# Allegro board 038RT-9068CJK8E-A100_0921.brd (continued)
## Placement (name value [footprint] x y rotation side) (continued)
NOREF#2531  -  []  628 265.81 90 top
NOREF#2532  -  []  282.9 209.4 90 top
NOREF#2533  -  []  339.41 415.37 90 top
NOREF#2534  -  []  182.72 259.08 0 top
NOREF#2535  -  []  600.4 209.4 90 top
NOREF#2536  -  []  599.63 325.6 0 top
NOREF#2537  -  []  336.65 243.37 0 top
NOREF#2538  -  []  272.29 378.77 0 top
NOREF#2539  -  []  234.74 292.48 0 top
NOREF#2540  -  []  14.11 147.57 90 top
NOREF#2541  -  []  536.05 432.05 0 top
NOREF#2542  -  []  8.31 16.9 90 top
NOREF#2543  -  []  435.3 280.64 0 top
NOREF#2544  -  []  685.63 31.15 90 top
NOREF#2545  -  []  49.95 408.79 0 top
NOREF#2546  -  []  141.16 432.9 90 top
NOREF#2547  -  []  602.39 205.03 0 top
NOREF#2548  -  []  90.04 230.41 90 top
NOREF#2549  -  []  604.38 309.63 90 top
NOREF#2550  -  []  91.39 269.83 90 top
NOREF#2551  -  []  13.26 176.2 90 top
NOREF#2552  -  []  141.18 234.04 0 top
NOREF#2553  -  []  324.62 30.1 90 top
NOREF#2554  -  []  625.03 347.19 0 top
NOREF#2555  -  []  85.58 154.05 90 top
NOREF#2556  -  []  584.3 182.01 90 top
NOREF#2557  -  []  98.15 309.88 0 top
NOREF#2558  -  []  587.3 52.44 0 top
NOREF#2559  -  []  11.29 215.18 0 top
NOREF#2560  -  []  435.3 228.77 0 top
NOREF#2561  -  []  700.31 228.6 0 top
NOREF#2562  -  []  248.78 422.36 90 top
NOREF#2563  -  []  693.28 87.04 0 top
NOREF#2564  -  []  634.21 261.68 0 top
NOREF#2565  -  []  599.97 267.45 90 top
NOREF#2566  -  []  357.23 211.69 0 top
NOREF#2567  -  []  575.29 15.05 90 top
NOREF#2568  -  []  208.54 436.97 90 top
NOREF#2569  -  []  608.78 215.17 0 top
NOREF#2570  -  []  94.59 267.41 0 top
NOREF#2571  -  []  385.03 418.84 0 top
NOREF#2572  -  []  124.85 246.22 90 top
NOREF#2573  -  []  593.34 193.37 90 top
NOREF#2574  -  []  56.94 211.67 0 top
NOREF#2575  -  []  435.3 288.77 0 top
NOREF#2576  -  []  436.51 224.7 0 top
NOREF#2577  -  []  98.17 267.02 0 top
NOREF#2578  -  []  468.22 378.54 0 top
NOREF#2579  -  []  410.49 210.63 0 top
NOREF#2580  -  []  13.26 49.84 90 top
NOREF#2581  -  []  616.31 309.88 0 top
NOREF#2582  -  []  164.3 154.22 0 top
NOREF#2583  -  []  131.43 312.42 90 top
NOREF#2584  -  []  607.53 241.05 90 top
NOREF#2585  -  []  572.1 264.29 90 top
NOREF#2586  -  []  608.06 140.59 0 top
NOREF#2587  -  []  679.31 219.07 0 top
NOREF#2588  -  []  406.1 203 90 top
NOREF#2589  -  []  670.26 274.33 90 top
NOREF#2590  -  []  612.96 208.8 90 top
NOREF#2591  -  []  436.21 278.28 0 top
NOREF#2592  -  []  76.66 258.12 0 top
NOREF#2593  -  []  412.47 262.22 0 top
NOREF#2594  -  []  559.93 149.61 90 top
NOREF#2595  -  []  671.31 219.6 0 top
NOREF#2596  -  []  516.12 424.48 90 top
NOREF#2597  -  []  38.32 466.51 0 top
NOREF#2598  -  []  81.66 257.87 90 top
NOREF#2599  -  []  107.54 276.06 90 top
NOREF#2600  -  []  547.22 238.4 0 top
NOREF#2601  -  []  90.2 211 90 top
NOREF#2602  -  []  506 44.55 0 top
NOREF#2603  -  []  98.79 277.99 90 top
NOREF#2604  -  []  603.99 261.83 0 top
NOREF#2605  -  []  96.46 290.11 0 top
NOREF#2606  -  []  238.67 289.31 0 top
NOREF#2607  -  []  101.72 229.46 90 top
NOREF#2608  -  []  107.82 229.46 90 top
NOREF#2609  -  []  622.66 331.47 0 top
NOREF#2610  -  []  16.65 25.02 90 top
NOREF#2611  -  []  674.38 260.08 0 top
NOREF#2612  -  []  174.78 27.61 90 top
NOREF#2613  -  []  92.19 265.03 0 top
NOREF#2614  -  []  288.47 271.02 0 top
NOREF#2615  -  []  509.38 44.83 90 top
NOREF#2616  -  []  622.28 283.84 0 top
NOREF#2617  -  []  350 203 0 top
NOREF#2618  -  []  166.95 282.81 90 top
NOREF#2619  -  []  296.45 203.55 90 top
NOREF#2620  -  []  405.71 204.21 0 top
NOREF#2621  -  []  11.81 143.02 90 top
NOREF#2622  -  []  404.87 209.85 90 top
NOREF#2623  -  []  277.69 279.4 90 top
NOREF#2624  -  []  105.14 289.44 90 top
NOREF#2625  -  []  288.09 261.03 0 top
NOREF#2626  -  []  222.05 433.64 90 top
NOREF#2627  -  []  144.25 441.65 0 top
NOREF#2628  -  []  136.56 425.85 0 top
NOREF#2629  -  []  440.18 50.36 90 top
NOREF#2630  -  []  436.21 220.31 0 top
NOREF#2631  -  []  342.05 273.66 90 top
NOREF#2632  -  []  173.1 222.56 0 top
NOREF#2633  -  []  358.53 201.52 90 top
NOREF#2634  -  []  675.41 276.87 0 top
NOREF#2635  -  []  603.97 264.25 90 top
NOREF#2636  -  []  52.31 210.37 90 top
NOREF#2637  -  []  450.3 165.22 90 top
NOREF#2638  -  []  97.37 211.02 0 top
NOREF#2639  -  []  121.14 210 90 top
NOREF#2640  -  []  79.23 157.86 0 top
NOREF#2641  -  []  634.21 266.32 0 top
NOREF#2642  -  []  583.33 48.47 90 top
NOREF#2643  -  []  276.81 282.96 90 top
NOREF#2644  -  []  177.57 445.82 0 top
NOREF#2645  -  []  91.37 268.23 90 top
NOREF#2646  -  []  88.6 200.59 90 top
NOREF#2647  -  []  588.49 203.5 90 top
NOREF#2648  -  []  514.03 231.97 0 top
NOREF#2649  -  []  161.06 51.05 0 top
NOREF#2650  -  []  439.11 226.73 0 top
NOREF#2651  -  []  221.05 440.06 0 top
NOREF#2652  -  []  629.25 166.63 0 top
NOREF#2653  -  []  147.51 432.9 90 top
NOREF#2654  -  []  284.11 266.63 0 top
NOREF#2655  -  []  343.89 138.61 0 top
NOREF#2656  -  []  292.11 261.83 0 top
NOREF#2657  -  []  288.89 205.85 90 top
NOREF#2658  -  []  334.02 444.8 90 top
NOREF#2659  -  []  273.59 144.24 90 top
NOREF#2660  -  []  69.07 335.53 0 top
NOREF#2661  -  []  436.21 224.38 0 top
NOREF#2662  -  []  357.9 446.71 90 top
NOREF#2663  -  []  329.27 273.66 90 top
NOREF#2664  -  []  592.1 182.9 0 top
NOREF#2665  -  []  286.47 262.63 90 top
NOREF#2666  -  []  596.01 204.21 0 top
NOREF#2667  -  []  337.54 22.63 0 top
NOREF#2668  -  []  92.97 272.25 90 top
NOREF#2669  -  []  312.4 193.27 90 top
NOREF#2670  -  []  675.41 245.12 0 top
NOREF#2671  -  []  209.38 259.08 90 top
NOREF#2672  -  []  249.08 49.56 0 top
NOREF#2673  -  []  673.94 56.13 90 top
NOREF#2674  -  []  168.38 58.88 90 top
NOREF#2675  -  []  241.25 418.84 90 top
NOREF#2676  -  []  130.67 309.63 90 top
NOREF#2677  -  []  602.39 203.45 90 top
NOREF#2678  -  []  336.67 263.25 90 top
NOREF#2679  -  []  86.97 206.22 0 top
NOREF#2680  -  []  461.51 36.11 0 top
NOREF#2681  -  []  82.91 141.22 0 top
NOREF#2682  -  []  617.08 331.22 90 top
NOREF#2683  -  []  403.29 210.63 0 top
NOREF#2684  -  []  600.81 264.23 0 top
NOREF#2685  -  []  436.21 282.34 0 top
NOREF#2686  -  []  88.99 269.83 90 top
NOREF#2687  -  []  11.29 265.98 0 top
NOREF#2688  -  []  441.21 278.28 90 top
NOREF#2689  -  []  284.11 212.21 0 top
NOREF#2690  -  []  350 270.11 0 top
NOREF#2691  -  []  194.25 216.36 90 top
NOREF#2692  -  []  410.47 211.45 90 top
NOREF#2693  -  []  482.51 276.1 0 top
NOREF#2694  -  []  401.27 208.62 0 top
NOREF#2695  -  []  250.03 205.92 90 top
NOREF#2696  -  []  441.22 221.69 90 top
NOREF#2697  -  []  211.55 448.54 0 top
NOREF#2698  -  []  568.18 310.77 90 top
NOREF#2699  -  []  487.42 233.37 0 top
NOREF#2700  -  []  440.02 286.41 0 top
NOREF#2701  -  []  246.23 205.67 0 top
NOREF#2702  -  []  596.77 271.43 90 top
NOREF#2703  -  []  640.39 124.58 0 top
NOREF#2704  -  []  191.36 39.72 0 top
NOREF#2705  -  []  606.65 240.8 90 top
NOREF#2706  -  []  106.25 275.21 90 top
NOREF#2707  -  []  256.81 206.2 0 top
NOREF#2708  -  []  88.57 263.82 0 top
NOREF#2709  -  []  290.87 207.82 0 top
NOREF#2710  -  []  402.51 270.61 0 top
NOREF#2711  -  []  97.66 289.46 90 top
NOREF#2712  -  []  403.27 209.85 90 top
NOREF#2713  -  []  337.7 424.48 0 top
NOREF#2714  -  []  347.1 419.02 90 top
NOREF#2715  -  []  329.32 432.44 90 top
NOREF#2716  -  []  406.57 221.66 0 top
NOREF#2717  -  []  283.29 261.03 90 top
NOREF#2718  -  []  -27.99 320.81 0 top
NOREF#2719  -  []  683.79 89.79 90 top
NOREF#2720  -  []  143.38 234.04 0 top
NOREF#2721  -  []  98.57 271.43 90 top
NOREF#2722  -  []  600.81 206.63 0 top
NOREF#2723  -  []  218.27 47.53 90 top
NOREF#2724  -  []  345.83 444.8 90 top
NOREF#2725  -  []  602.41 209.83 0 top
NOREF#2726  -  []  307.25 144.61 0 top
NOREF#2727  -  []  409.67 260.25 90 top
NOREF#2728  -  []  4.26 102.49 90 top
NOREF#2729  -  []  406.57 281.66 0 top
NOREF#2730  -  []  25.76 395.34 0 top
NOREF#2731  -  []  270.49 416.31 90 top
NOREF#2732  -  []  596.82 181.71 0 top
NOREF#2733  -  []  615.17 273.82 90 top
NOREF#2734  -  []  259.76 21.33 0 top
NOREF#2735  -  []  61.87 248.15 0 top
NOREF#2736  -  []  90.61 213.01 0 top
NOREF#2737  -  []  603.74 153.42 90 top
NOREF#2738  -  []  290.1 260.59 90 top
NOREF#2739  -  []  70.6 246.22 90 top
NOREF#2740  -  []  95.41 200.23 0 top
NOREF#2741  -  []  385.3 228.22 90 top
NOREF#2742  -  []  632.68 201.19 90 top
NOREF#2743  -  []  603.97 209.03 90 top
NOREF#2744  -  []  93.77 207.45 90 top
NOREF#2745  -  []  603.99 268.25 90 top
NOREF#2746  -  []  411.29 268.25 90 top
NOREF#2747  -  []  278.85 280.37 90 top
NOREF#2748  -  []  52.64 161.33 90 top
NOREF#2749  -  []  73.52 127.64 90 top
NOREF#2750  -  []  103.54 432.93 0 top
NOREF#2751  -  []  52.64 148.61 90 top
NOREF#2752  -  []  336.65 255.5 0 top
NOREF#2753  -  []  591.57 206.22 0 top
NOREF#2754  -  []  581.22 49.14 0 top
NOREF#2755  -  []  603.17 265.03 90 top
NOREF#2756  -  []  310.79 422.36 90 top
NOREF#2757  -  []  498.27 219.56 0 top
NOREF#2758  -  []  408.87 267.43 90 top
NOREF#2759  -  []  604.38 130.56 90 top
NOREF#2760  -  []  580.95 257.23 90 top
NOREF#2761  -  []  592.37 203 90 top
NOREF#2762  -  []  436.21 228.44 0 top
NOREF#2763  -  []  10.39 295.92 0 top
NOREF#2764  -  []  352.82 437.44 90 top
NOREF#2765  -  []  175.84 23.47 90 top
NOREF#2766  -  []  598 208.6 90 top
NOREF#2767  -  []  285.69 266.65 90 top
NOREF#2768  -  []  405.67 269.85 90 top
NOREF#2769  -  []  494.78 425.56 0 top
NOREF#2770  -  []  479.26 59.33 315 top
NOREF#2771  -  []  407.9 253.53 90 top
NOREF#2772  -  []  91.37 207.43 90 top
NOREF#2773  -  []  398.07 212.62 0 top
NOREF#2774  -  []  331.99 424.48 0 top
NOREF#2775  -  []  96.19 205.05 90 top
NOREF#2776  -  []  440.32 282.67 0 top
NOREF#2777  -  []  283.31 208.23 0 top
NOREF#2778  -  []  602 271 90 top
NOREF#2779  -  []  280.37 279.42 90 top
NOREF#2780  -  []  52.64 376.57 0 top
NOREF#2781  -  []  70.21 141.22 0 top
NOREF#2782  -  []  59.69 383.89 90 top
NOREF#2783  -  []  282.1 200.59 90 top
NOREF#2784  -  []  590.4 240.8 90 top
NOREF#2785  -  []  601.17 207.02 0 top
NOREF#2786  -  []  60.05 258.5 0 top
NOREF#2787  -  []  623.43 309.63 90 top
NOREF#2788  -  []  390.53 142.61 90 top
NOREF#2789  -  []  155.14 222.56 0 top
NOREF#2790  -  []  406.07 207.02 0 top
NOREF#2791  -  []  193.62 265.29 90 top
NOREF#2792  -  []  506.73 426.39 90 top
NOREF#2793  -  []  605.2 207 90 top
NOREF#2794  -  []  436.2 222.99 0 top
NOREF#2795  -  []  607.53 181.05 90 top
NOREF#2796  -  []  342.05 239.37 90 top
NOREF#2797  -  []  607.48 210.92 0 top
NOREF#2798  -  []  309.25 92.61 90 top
NOREF#2799  -  []  674.38 209.28 0 top
NOREF#2800  -  []  597.26 187.58 90 top
NOREF#2801  -  []  360.31 442.9 90 top
NOREF#2802  -  []  336.65 244.07 0 top
NOREF#2803  -  []  519.64 28.57 90 top
NOREF#2804  -  []  638.54 162.63 90 top
NOREF#2805  -  []  405.59 222.09 0 top
NOREF#2806  -  []  390.53 92.61 90 top
NOREF#2807  -  []  602.77 207.82 0 top
NOREF#2808  -  []  22.23 387.3 90 top
NOREF#2809  -  []  441.21 224.38 90 top
NOREF#2810  -  []  437.41 219.66 90 top
NOREF#2811  -  []  625.1 219.17 0 top
NOREF#2812  -  []  287.67 200.59 0 top
NOREF#2813  -  []  422.24 207.47 90 top
NOREF#2814  -  []  411.29 208.25 90 top
NOREF#2815  -  []  501.47 276.1 0 top
NOREF#2816  -  []  586.66 242.91 0 top
NOREF#2817  -  []  600.79 261.83 0 top
NOREF#2818  -  []  603.19 201.03 90 top
NOREF#2819  -  []  363.61 437.44 90 top
NOREF#2820  -  []  583.98 181.7 0 top
NOREF#2821  -  []  591.68 316.87 90 top
NOREF#2822  -  []  92.6 262.99 90 top
NOREF#2823  -  []  365.33 205.92 0 top
NOREF#2824  -  []  406.49 203.43 90 top
NOREF#2825  -  []  349.89 92.61 90 top
NOREF#2826  -  []  108.31 160.02 90 top
NOREF#2827  -  []  358.67 225.35 90 top
NOREF#2828  -  []  622.79 127 90 top
NOREF#2829  -  []  285.67 198.65 90 top
NOREF#2830  -  []  529.78 276.1 0 top
NOREF#2831  -  []  117.97 159.77 90 top
NOREF#2832  -  []  404.64 182.02 90 top
NOREF#2833  -  []  355.4 210.11 90 top
NOREF#2834  -  []  307.99 32.26 0 top
NOREF#2835  -  []  139.21 29.25 90 top
NOREF#2836  -  []  406.47 262.63 90 top
NOREF#2837  -  []  282.91 432.22 90 top
NOREF#2838  -  []  76.11 201.52 0 top
NOREF#2839  -  []  164.24 445.82 0 top
NOREF#2840  -  []  89.93 224.86 90 top
NOREF#2841  -  []  402.49 270.63 0 top
NOREF#2842  -  []  402.47 271.43 90 top
NOREF#2843  -  []  507.11 432.44 90 top
NOREF#2844  -  []  90.2 209.4 90 top
NOREF#2845  -  []  280.37 283.23 90 top
NOREF#2846  -  []  353.8 48.9 90 top
NOREF#2847  -  []  280.89 202.63 90 top
NOREF#2848  -  []  435.3 220.64 0 top
NOREF#2849  -  []  285.59 278.14 0 top
NOREF#2850  -  []  292.89 272.23 90 top
NOREF#2851  -  []  284.47 207.02 0 top
NOREF#2852  -  []  407.27 260.25 90 top
NOREF#2853  -  []  85.4 199.02 0 top
NOREF#2854  -  []  86.22 337.82 90 top
NOREF#2855  -  []  59.69 381.69 90 top
NOREF#2856  -  []  119.49 435.36 0 top
NOREF#2857  -  []  601.59 207.43 90 top
NOREF#2858  -  []  85.58 135 0 top
NOREF#2859  -  []  63.07 253.36 0 top
NOREF#2860  -  []  209.44 431.58 90 top
NOREF#2861  -  []  684.26 218.72 90 top
NOREF#2862  -  []  93.59 289.46 90 top
NOREF#2863  -  []  478.49 39.2 90 top
NOREF#2864  -  []  686.33 105.03 90 top
NOREF#2865  -  []  356.58 289.54 0 top
NOREF#2866  -  []  263.3 226.22 0 top
NOREF#2867  -  []  404.11 261.81 0 top
NOREF#2868  -  []  88.21 262.63 0 top
NOREF#2869  -  []  503.67 276.1 0 top
NOREF#2870  -  []  351.22 415.37 90 top
NOREF#2871  -  []  81.77 314.58 0 top
NOREF#2872  -  []  415.3 286.19 0 top
NOREF#2873  -  []  634.88 257.43 90 top
NOREF#2874  -  []  591.21 265.83 0 top
NOREF#2875  -  []  281.75 219.4 90 top
NOREF#2876  -  []  598.03 159.77 90 top
NOREF#2877  -  []  412.95 278.14 0 top
NOREF#2878  -  []  86.61 201.81 0 top
NOREF#2879  -  []  625.2 156.58 90 top
NOREF#2880  -  []  571.03 149.4 90 top
NOREF#2881  -  []  207.07 436.97 90 top
NOREF#2882  -  []  10.39 226.07 0 top
NOREF#2883  -  []  559.16 50.59 0 top
NOREF#2884  -  []  284.91 212.21 0 top
NOREF#2885  -  []  52.31 211.77 90 top
NOREF#2886  -  []  169.25 221.16 0 top
NOREF#2887  -  []  402.9 209.4 90 top
NOREF#2888  -  []  61.87 253.36 0 top
NOREF#2889  -  []  279.7 260.59 90 top
NOREF#2890  -  []  602.39 206.65 90 top
NOREF#2891  -  []  602.8 259.8 90 top
NOREF#2892  -  []  402.07 267.02 0 top
NOREF#2893  -  []  353.03 27.05 90 top
NOREF#2894  -  []  -15.54 296.33 0 top
NOREF#2895  -  []  628.81 256.73 0 top
NOREF#2896  -  []  405.3 208.6 90 top
NOREF#2897  -  []  591.21 205.83 0 top
NOREF#2898  -  []  91.37 205.03 90 top
NOREF#2899  -  []  93.79 263.43 90 top
NOREF#2900  -  []  184.37 272.9 0 top
NOREF#2901  -  []  92.19 267.43 90 top
NOREF#2902  -  []  254.53 50.36 0 top
NOREF#2903  -  []  166.96 259.08 0 top
NOREF#2904  -  []  281.3 259.8 90 top
NOREF#2905  -  []  284.11 261.81 0 top
NOREF#2906  -  []  578.77 276.23 90 top
NOREF#2907  -  []  343.8 424.48 0 top
NOREF#2908  -  []  601.2 213.4 90 top
NOREF#2909  -  []  287.9 194.36 90 top
NOREF#2910  -  []  318.68 49.91 90 top
NOREF#2911  -  []  283.27 198.65 90 top
NOREF#2912  -  []  610.09 157.23 0 top
NOREF#2913  -  []  97.4 271.79 90 top
NOREF#2914  -  []  282.47 211.43 90 top
NOREF#2915  -  []  293.69 266.65 90 top
NOREF#2916  -  []  141.16 430.7 90 top
NOREF#2917  -  []  54.32 187.81 0 top
NOREF#2918  -  []  68.6 181.02 0 top
NOREF#2919  -  []  400.89 211.41 0 top
NOREF#2920  -  []  326.57 216.53 0 top
NOREF#2921  -  []  76.11 261.52 0 top
NOREF#2922  -  []  588.37 240.8 90 top
NOREF#2923  -  []  604.01 213.81 0 top
NOREF#2924  -  []  290.87 201.42 0 top
NOREF#2925  -  []  123.58 47.77 90 top
NOREF#2926  -  []  108.31 164.08 0 top
NOREF#2927  -  []  510.41 443.53 0 top
NOREF#2928  -  []  407.31 273.01 0 top
NOREF#2929  -  []  596.37 265.42 0 top
NOREF#2930  -  []  89.01 210.61 0 top
NOREF#2931  -  []  638.54 362.67 90 top
NOREF#2932  -  []  73.52 150.5 90 top
NOREF#2933  -  []  218.53 194.39 0 top
NOREF#2934  -  []  14.11 152.65 0 top
NOREF#2935  -  []  612.96 268.8 90 top
NOREF#2936  -  []  96.6 273.39 90 top
NOREF#2937  -  []  286.9 200.59 90 top
NOREF#2938  -  []  625.03 343.99 90 top
NOREF#2939  -  []  61.87 188.15 0 top
NOREF#2940  -  []  260.1 186.22 0 top
NOREF#2941  -  []  404.91 212.21 0 top
NOREF#2942  -  []  602.77 206.22 0 top
NOREF#2943  -  []  603.46 241.05 90 top
NOREF#2944  -  []  406.32 194.31 0 top
NOREF#2945  -  []  280.88 219.15 90 top
NOREF#2946  -  []  98.57 212.25 90 top
NOREF#2947  -  []  -2.69 163.02 0 top
NOREF#2948  -  []  122.18 49.42 90 top
NOREF#2949  -  []  96.99 205.03 90 top
NOREF#2950  -  []  632.24 156.58 90 top
NOREF#2951  -  []  75.45 189.07 0 top
NOREF#2952  -  []  289.3 200.59 90 top
NOREF#2953  -  []  357.23 271.69 0 top
NOREF#2954  -  []  598.8 208.6 90 top
NOREF#2955  -  []  47.54 439.03 90 top
NOREF#2956  -  []  324.89 197.65 0 top
NOREF#2957  -  []  284.62 223.86 0 top
NOREF#2958  -  []  400.08 251.74 90 top
NOREF#2959  -  []  426.47 454.25 0 top
NOREF#2960  -  []  238.53 211.24 0 top
NOREF#2961  -  []  615.48 149.4 90 top
NOREF#2962  -  []  250.33 273.28 90 top
NOREF#2963  -  []  373.44 433.78 90 top
NOREF#2964  -  []  503.77 49.4 0 top
NOREF#2965  -  []  585.69 264.65 90 top
NOREF#2966  -  []  237.98 41.32 90 top
NOREF#2967  -  []  240.57 213.99 90 top
NOREF#2968  -  []  410.9 262.2 90 top
NOREF#2969  -  []  6.8 340.36 90 top
NOREF#2970  -  []  103.1 289.44 90 top
NOREF#2971  -  []  -15.54 277.28 0 top
NOREF#2972  -  []  2.21 245.53 90 top
NOREF#2973  -  []  400.91 268.23 0 top
NOREF#2974  -  []  282.91 224.18 90 top
NOREF#2975  -  []  550.02 424.45 0 top
NOREF#2976  -  []  463.11 40.93 0 top
NOREF#2977  -  []  588.04 242.9 0 top
NOREF#2978  -  []  603.99 209.05 90 top
NOREF#2979  -  []  406.9 209.4 90 top
NOREF#2980  -  []  282.07 207.02 0 top
NOREF#2981  -  []  122.18 52.62 90 top
NOREF#2982  -  []  407.59 277.29 90 top
NOREF#2983  -  []  593.61 269.03 0 top
NOREF#2984  -  []  409.69 211.41 0 top
NOREF#2985  -  []  592.01 204.23 0 top
NOREF#2986  -  []  100.2 289.19 90 top
NOREF#2987  -  []  76.56 141.22 0 top
NOREF#2988  -  []  292.87 201.05 90 top
NOREF#2989  -  []  57.84 216.06 0 top
NOREF#2990  -  []  623.43 149.86 90 top
NOREF#2991  -  []  153.22 234.04 0 top
NOREF#2992  -  []  102.23 229.19 90 top
NOREF#2993  -  []  81.77 310.77 90 top
NOREF#2994  -  []  419.03 418.84 90 top
NOREF#2995  -  []  502.66 227.37 90 top
NOREF#2996  -  []  402.47 270.63 90 top
NOREF#2997  -  []  94.59 208.23 0 top
NOREF#2998  -  []  310.69 454.25 0 top
NOREF#2999  -  []  574.23 325.6 0 top
NOREF#3000  -  []  602.8 202.2 90 top
NOREF#3001  -  []  472.22 92.61 90 top
NOREF#3002  -  []  597.57 262.63 90 top
NOREF#3003  -  []  641.53 202.07 90 top
NOREF#3004  -  []  280.88 222.96 90 top
NOREF#3005  -  []  38.18 439.55 0 top
NOREF#3006  -  []  94.43 290.11 0 top
NOREF#3007  -  []  586.33 240.8 90 top
NOREF#3008  -  []  201.3 286.22 0 top
NOREF#3009  -  []  416.45 203.55 90 top
NOREF#3010  -  []  623.88 219.68 90 top
NOREF#3011  -  []  289.69 210.61 0 top
NOREF#3012  -  []  597.59 263.43 90 top
NOREF#3013  -  []  542.62 447.54 90 top
NOREF#3014  -  []  592.1 242.9 0 top
NOREF#3015  -  []  282.97 252.32 90 top
NOREF#3016  -  []  601.2 271.79 90 top
NOREF#3017  -  []  293.67 270.63 90 top
NOREF#3018  -  []  86.22 316.87 90 top
NOREF#3019  -  []  284.87 206.63 90 top
NOREF#3020  -  []  89.79 202.65 90 top
NOREF#3021  -  []  618.68 325.6 0 top
NOREF#3022  -  []  399.35 35.51 90 top
NOREF#3023  -  []  116.24 432.93 0 top
NOREF#3024  -  []  288.09 263.43 90 top
NOREF#3025  -  []  280.28 47.53 90 top
NOREF#3026  -  []  96.19 208.25 90 top
NOREF#3027  -  []  168.61 266.69 0 top
NOREF#3028  -  []  518.93 277.5 0 top
NOREF#3029  -  []  628.81 256.73 90 top
NOREF#3030  -  []  84.73 239.44 90 top
NOREF#3031  -  []  166.78 27.05 90 top
NOREF#3032  -  []  278.1 206.22 90 top
NOREF#3033  -  []  92.97 259.45 90 top
NOREF#3034  -  []  536 186.22 90 top
NOREF#3035  -  []  594.46 180.8 90 top
NOREF#3036  -  []  166.78 34.29 90 top
NOREF#3037  -  []  87.8 271.79 90 top
NOREF#3038  -  []  215.64 430.09 90 top
NOREF#3039  -  []  284.64 182.02 90 top
NOREF#3040  -  []  350 263 0 top
NOREF#3041  -  []  97.66 229.46 90 top
NOREF#3042  -  []  405.69 201.03 0 top
NOREF#3043  -  []  600.79 271.43 90 top
NOREF#3044  -  []  595.19 199.45 90 top
NOREF#3045  -  []  279.72 223.21 90 top
NOREF#3046  -  []  436.21 218.28 0 top
NOREF#3047  -  []  240.57 206.37 90 top
NOREF#3048  -  []  598.8 266.2 90 top
NOREF#3049  -  []  358.53 271.24 0 top
NOREF#3050  -  []  284.87 199.45 90 top
NOREF#3051  -  []  616.07 16.89 90 top
NOREF#3052  -  []  290.07 210.22 0 top
NOREF#3053  -  []  220.03 432.64 90 top
NOREF#3054  -  []  286.49 259.43 0 top
NOREF#3055  -  []  285.69 271.43 90 top
NOREF#3056  -  []  0.3 0 90 top
NOREF#3057  -  []  353.03 53.34 90 top
NOREF#3058  -  []  601.57 203.45 90 top
NOREF#3059  -  []  185 214.96 0 top
NOREF#3060  -  []  338.32 262.25 0 top
NOREF#3061  -  []  87.39 270.65 90 top
NOREF#3062  -  []  591.21 269.83 0 top
NOREF#3063  -  []  570.9 219.17 0 top
NOREF#3064  -  []  595.99 263.41 0 top
NOREF#3065  -  []  687.4 144.27 90 top
NOREF#3066  -  []  238.67 229.31 0 top
NOREF#3067  -  []  406.1 268.6 90 top
NOREF#3068  -  []  402.1 209.4 90 top
NOREF#3069  -  []  602.39 261.03 90 top
NOREF#3070  -  []  171.86 27.05 90 top
NOREF#3071  -  []  98.92 150.5 90 top
NOREF#3072  -  []  604.62 182.01 90 top
NOREF#3073  -  []  290.49 261.03 90 top
NOREF#3074  -  []  441.21 286.41 90 top
NOREF#3075  -  []  605.14 312.42 90 top
NOREF#3076  -  []  88.17 197.85 90 top
NOREF#3077  -  []  308.62 34.54 90 top
NOREF#3078  -  []  279.72 219.4 90 top
NOREF#3079  -  []  423.14 261.84 90 top
NOREF#3080  -  []  280.89 261.03 90 top
NOREF#3081  -  []  129.9 309.88 0 top
NOREF#3082  -  []  100.17 207.43 90 top
NOREF#3083  -  []  441.22 219.66 90 top
NOREF#3084  -  []  227.8 270.11 0 top
NOREF#3085  -  []  678.41 226.07 0 top
NOREF#3086  -  []  256.81 273.31 0 top
NOREF#3087  -  []  586.21 194.77 90 top
NOREF#3088  -  []  99.39 206.61 0 top
NOREF#3089  -  []  86.2 207 90 top
NOREF#3090  -  []  222.83 428.64 90 top
NOREF#3091  -  []  289.7 230.11 90 top
NOREF#3092  -  []  406.49 269.03 90 top
NOREF#3093  -  []  238.53 263.62 0 top
NOREF#3094  -  []  460.84 431.62 0 top
NOREF#3095  -  []  87.39 211.45 90 top
NOREF#3096  -  []  284.09 269.83 90 top
NOREF#3097  -  []  207.56 27.63 0 top
NOREF#3098  -  []  61.64 209.57 90 top
NOREF#3099  -  []  121.14 206.83 90 top
NOREF#3100  -  []  96.57 268.62 0 top
NOREF#3101  -  []  596.79 259.45 90 top
NOREF#3102  -  []  461.84 433.64 90 top
NOREF#3103  -  []  397.88 43.68 0 top
NOREF#3104  -  []  93.81 262.63 0 top
NOREF#3105  -  []  441.22 279.66 90 top
NOREF#3106  -  []  638.54 158.23 90 top
NOREF#3107  -  []  289.69 272.21 0 top
NOREF#3108  -  []  86.3 290.11 0 top
NOREF#3109  -  []  640.39 359.91 0 top
NOREF#3110  -  []  534.17 227.37 90 top
NOREF#3111  -  []  411.27 269.83 90 top
NOREF#3112  -  []  411.29 203.43 0 top
NOREF#3113  -  []  396.28 444.45 0 top
NOREF#3114  -  []  584.23 423.82 0 top
NOREF#3115  -  []  288.87 207.43 90 top
NOREF#3116  -  []  259.01 206.2 0 top
NOREF#3117  -  []  460.42 439.19 0 top
NOREF#3118  -  []  309.28 271.63 90 top
NOREF#3119  -  []  21.1 398.17 90 top
NOREF#3120  -  []  591.57 211.02 0 top
NOREF#3121  -  []  487.42 227.16 0 top
NOREF#3122  -  []  288.5 263 90 top
NOREF#3123  -  []  54.32 247.81 0 top
NOREF#3124  -  []  317 422.36 90 top
NOREF#3125  -  []  52.64 386.09 90 top
NOREF#3126  -  []  58.14 211.67 0 top
NOREF#3127  -  []  285.71 269.81 0 top
NOREF#3128  -  []  618.68 347.19 0 top
NOREF#3129  -  []  345.5 433.78 90 top
NOREF#3130  -  []  92.17 261.05 90 top
NOREF#3131  -  []  129.9 320.04 0 top
NOREF#3132  -  []  284.07 261.05 90 top
NOREF#3133  -  []  227.8 210.11 0 top
NOREF#3134  -  []  603.19 270.63 0 top
NOREF#3135  -  []  292.09 272.23 90 top
NOREF#3136  -  []  552.62 232.05 90 top
NOREF#3137  -  []  98.92 316.87 90 top
NOREF#3138  -  []  501.47 263.68 0 top
NOREF#3139  -  []  408.89 212.23 0 top
NOREF#3140  -  []  590.08 149.4 90 top
NOREF#3141  -  []  95.41 260.23 0 top
NOREF#3142  -  []  93.37 267.02 0 top
NOREF#3143  -  []  597.59 208.23 0 top
NOREF#3144  -  []  440.32 278.61 0 top
NOREF#3145  -  []  290.95 225.56 90 top
NOREF#3146  -  []  491.74 454.91 0 top
NOREF#3147  -  []  356 284.13 90 top
NOREF#3148  -  []  49.15 236.86 0 top
NOREF#3149  -  []  552.62 238.4 90 top
NOREF#3150  -  []  3.19 17.91 90 top
NOREF#3151  -  []  2.21 296.33 90 top
NOREF#3152  -  []  308.33 378.54 0 top
NOREF#3153  -  []  603.99 210.63 0 top
NOREF#3154  -  []  444.3 173.22 90 top
NOREF#3155  -  []  -1.06 388.01 0 top
NOREF#3156  -  []  748.4 85.48 90 top
NOREF#3157  -  []  441.54 416.84 0 top
NOREF#3158  -  []  95.81 290.09 0 top
NOREF#3159  -  []  100.2 290.41 90 top
NOREF#3160  -  []  207.73 92.61 90 top
NOREF#3161  -  []  670.26 255.28 90 top
NOREF#3162  -  []  284.09 209.83 90 top
NOREF#3163  -  []  360.57 204.97 90 top
NOREF#3164  -  []  282.9 211 90 top
NOREF#3165  -  []  121.01 160.02 90 top
NOREF#3166  -  []  -57.3 359.4 0 top
NOREF#3167  -  []  436.22 49.56 90 top
NOREF#3168  -  []  191.97 266.69 90 top
NOREF#3169  -  []  235.4 210.11 90 top
NOREF#3170  -  []  286.9 269.39 90 top
NOREF#3171  -  []  565.51 49.32 0 top
NOREF#3172  -  []  610.95 179.12 90 top
NOREF#3173  -  []  513.71 438.07 90 top
NOREF#3174  -  []  337.67 216.53 0 top
NOREF#3175  -  []  175.97 41.32 90 top
NOREF#3176  -  []  307.3 244.22 90 top
NOREF#3177  -  []  526.3 154.22 90 top
NOREF#3178  -  []  595.57 260.62 0 top
NOREF#3179  -  []  399.67 271.02 0 top
NOREF#3180  -  []  167.92 425.5 90 top
NOREF#3181  -  []  292.35 225.56 90 top
NOREF#3182  -  []  290.51 213.01 0 top
NOREF#3183  -  []  232.69 184.28 0 top
NOREF#3184  -  []  328.94 27.31 90 top
NOREF#3185  -  []  94.61 208.23 0 top
NOREF#3186  -  []  330.29 205.08 90 top
NOREF#3187  -  []  501.47 225.76 0 top
NOREF#3188  -  []  282.49 207.45 90 top
NOREF#3189  -  []  631.5 362.67 90 top
NOREF#3190  -  []  440.32 284.7 0 top
NOREF#3191  -  []  6.8 105.03 90 top
NOREF#3192  -  []  86.3 230.11 0 top
NOREF#3193  -  []  288.87 206.63 90 top
NOREF#3194  -  []  94.61 269.03 0 top
NOREF#3195  -  []  0.3 488.44 0 top
NOREF#3196  -  []  89.79 265.01 0 top
NOREF#3197  -  []  -27.99 85.48 90 top
NOREF#3198  -  []  628.81 196.73 0 top
NOREF#3199  -  []  97.79 266.61 0 top
NOREF#3200  -  []  54.59 119.08 0 top
NOREF#3201  -  []  158.13 235.79 90 top
NOREF#3202  -  []  672.31 273.77 0 top
NOREF#3203  -  []  628.51 256.98 0 top
NOREF#3204  -  []  411.29 263.43 0 top
NOREF#3205  -  []  603.17 272.25 90 top
NOREF#3206  -  []  406.07 207.82 0 top
NOREF#3207  -  []  324.92 206.1 90 top
NOREF#3208  -  []  606.28 336.17 0 top
NOREF#3209  -  []  661.53 149.22 0 top
NOREF#3210  -  []  284.34 225.56 90 top
NOREF#3211  -  []  600.88 242.91 0 top
NOREF#3212  -  []  408.5 272.6 90 top
NOREF#3213  -  []  608.03 270.47 0 top
NOREF#3214  -  []  60.63 247.41 90 top
NOREF#3215  -  []  81.36 202.82 90 top
NOREF#3216  -  []  324.89 198.35 0 top
NOREF#3217  -  []  282.59 280.05 0 top
NOREF#3218  -  []  399.29 211.45 90 top
NOREF#3219  -  []  350 210.11 0 top
NOREF#3220  -  []  461.84 438.04 0 top
NOREF#3221  -  []  408.47 271.82 0 top
NOREF#3222  -  []  276.79 378.54 0 top
NOREF#3223  -  []  602.39 212.23 90 top
NOREF#3224  -  []  76.11 196.82 0 top
NOREF#3225  -  []  602 265.39 90 top
NOREF#3226  -  []  412.2 222.09 0 top
NOREF#3227  -  []  493.24 378.54 0 top
NOREF#3228  -  []  602.77 210.22 0 top
NOREF#3229  -  []  292.09 211.41 0 top
NOREF#3230  -  []  574.23 322.4 90 top
NOREF#3231  -  []  610.73 316.87 90 top
NOREF#3232  -  []  388.15 189.07 90 top
NOREF#3233  -  []  282.07 265.42 0 top
NOREF#3234  -  []  173.46 62.08 0 top
NOREF#3235  -  []  485.71 231.97 0 top
NOREF#3236  -  []  366.23 213.29 0 top
NOREF#3237  -  []  170.81 260.48 0 top
NOREF#3238  -  []  367.09 433.78 0 top
NOREF#3239  -  []  277.27 209.42 0 top
NOREF#3240  -  []  397.69 272.23 0 top
NOREF#3241  -  []  268.15 189.07 0 top
NOREF#3242  -  []  238.53 261.52 90 top
NOREF#3243  -  []  376.81 266.2 0 top
NOREF#3244  -  []  567.04 312.42 90 top
NOREF#3245  -  []  556.62 153.92 0 top
NOREF#3246  -  []  406.49 270.61 0 top
NOREF#3247  -  []  73.52 309.63 90 top
NOREF#3248  -  []  289.69 212.21 0 top
NOREF#3249  -  []  503.77 33.53 0 top
NOREF#3250  -  []  263.3 288.22 0 top
NOREF#3251  -  []  106.62 230.11 0 top
NOREF#3252  -  []  575.29 251.96 90 top
NOREF#3253  -  []  76.11 256.82 0 top
NOREF#3254  -  []  195.66 434.8 0 top
NOREF#3255  -  []  86.22 127.64 90 top
NOREF#3256  -  []  407.31 206.63 0 top
NOREF#3257  -  []  609.96 309.88 0 top
NOREF#3258  -  []  106.09 267.33 90 top
NOREF#3259  -  []  600.79 206.63 90 top
NOREF#3260  -  []  611.36 331.22 90 top
NOREF#3261  -  []  599.6 204.6 90 top
NOREF#3262  -  []  158.52 427.41 0 top
NOREF#3263  -  []  399.67 267.82 0 top
NOREF#3264  -  []  393.03 205.66 90 top
NOREF#3265  -  []  495.84 41.35 90 top
NOREF#3266  -  []  323.23 44.32 90 top
NOREF#3267  -  []  97.37 265.42 0 top
NOREF#3268  -  []  107.17 229.44 90 top
NOREF#3269  -  []  175.34 434.8 0 top
NOREF#3270  -  []  437.4 218.28 90 top
NOREF#3271  -  []  408.07 209.83 90 top
NOREF#3272  -  []  216.91 35.51 90 top
NOREF#3273  -  []  638.54 147.72 90 top
NOREF#3274  -  []  292.2 218.14 0 top
NOREF#3275  -  []  88.21 210.61 0 top
NOREF#3276  -  []  287.9 217.54 90 top
NOREF#3277  -  []  107.17 310.77 90 top
NOREF#3278  -  []  594.77 263.82 0 top
NOREF#3279  -  []  206.01 286.06 0 top
NOREF#3280  -  []  97.37 203.02 0 top
NOREF#3281  -  []  85.81 271.43 0 top
NOREF#3282  -  []  336.67 206.75 90 top
NOREF#3283  -  []  399.67 210.22 0 top
NOREF#3284  -  []  417.85 261.92 0 top
NOREF#3285  -  []  137.98 234.04 0 top
NOREF#3286  -  []  562.97 153.92 0 top
NOREF#3287  -  []  414.28 183.91 90 top
NOREF#3288  -  []  565.64 157.23 0 top
NOREF#3289  -  []  597.39 153.42 90 top
NOREF#3290  -  []  286.07 207.82 0 top
NOREF#3291  -  []  441.21 280.31 90 top
NOREF#3292  -  []  692.13 260.08 90 top
NOREF#3293  -  []  299.26 23.33 90 top
NOREF#3294  -  []  20.34 193.68 90 top
NOREF#3295  -  []  187.1 281.41 90 top
NOREF#3296  -  []  604.38 159.77 90 top
NOREF#3297  -  []  100.52 325.6 0 top
NOREF#3298  -  []  598.79 312.42 90 top
NOREF#3299  -  []  235.3 302.22 0 top
NOREF#3300  -  []  338.34 19.33 0 top
NOREF#3301  -  []  541 422.8 90 top
NOREF#3302  -  []  117.97 309.63 90 top
NOREF#3303  -  []  328.94 43.18 90 top
NOREF#3304  -  []  593.75 194.06 0 top
NOREF#3305  -  []  89.79 270.63 0 top
NOREF#3306  -  []  243.54 426.36 0 top
NOREF#3307  -  []  279.67 267.82 0 top
NOREF#3308  -  []  405.75 285.56 90 top
NOREF#3309  -  []  621.83 152.6 0 top
NOREF#3310  -  []  436.21 286.41 0 top
NOREF#3311  -  []  107.17 289.44 90 top
NOREF#3312  -  []  599.63 322.4 90 top
NOREF#3313  -  []  294.2 217.29 90 top
NOREF#3314  -  []  46.34 367.32 90 top
NOREF#3315  -  []  602.39 201.03 90 top
NOREF#3316  -  []  461.36 36.71 90 top
NOREF#3317  -  []  414.2 217.29 90 top
NOREF#3318  -  []  609.76 126.54 90 top
NOREF#3319  -  []  139.93 216.3 0 top
NOREF#3320  -  []  158.13 229.44 90 top
NOREF#3321  -  []  292.2 278.14 0 top
NOREF#3322  -  []  601.59 267.43 90 top
NOREF#3323  -  []  288.5 272.6 90 top
NOREF#3324  -  []  373.61 213.31 0 top
NOREF#3325  -  []  574.64 191.95 90 top
NOREF#3326  -  []  145.8 333.72 0 top
NOREF#3327  -  []  90.59 258.63 90 top
NOREF#3328  -  []  604.79 260.21 0 top
NOREF#3329  -  []  288.09 271.43 90 top
NOREF#3330  -  []  378.27 21.92 0 top
NOREF#3331  -  []  96.17 206.63 90 top
NOREF#3332  -  []  602.39 263.45 90 top
NOREF#3333  -  []  401.69 259.43 0 top
NOREF#3334  -  []  93.01 204.21 0 top
NOREF#3335  -  []  612.96 273.5 90 top
NOREF#3336  -  []  98.49 230.11 0 top
NOREF#3337  -  []  288.07 203.45 90 top
NOREF#3338  -  []  272.92 431.58 90 top
NOREF#3339  -  []  80.63 333.38 90 top
NOREF#3340  -  []  503.18 220.96 0 top
NOREF#3341  -  []  22.19 386.74 90 top
NOREF#3342  -  []  439.11 222.67 0 top
NOREF#3343  -  []  79.65 239.12 90 top
NOREF#3344  -  []  318.68 43.56 90 top
NOREF#3345  -  []  352.27 46.35 0 top
NOREF#3346  -  []  537.38 238.4 90 top
NOREF#3347  -  []  603.19 259.43 0 top
NOREF#3348  -  []  117.51 426.58 90 top
NOREF#3349  -  []  638.54 360.47 90 top
NOREF#3350  -  []  613.77 136.53 90 top
NOREF#3351  -  []  240.57 273.99 90 top
NOREF#3352  -  []  95.77 260.62 0 top
NOREF#3353  -  []  115.95 220.49 0 top
NOREF#3354  -  []  201.3 286.22 0 top
NOREF#3355  -  []  99.33 40.89 0 top
NOREF#3356  -  []  404.87 205.83 90 top
NOREF#3357  -  []  284.11 272.21 0 top
NOREF#3358  -  []  405.69 199.43 0 top
NOREF#3359  -  []  86.61 265.83 0 top
NOREF#3360  -  []  97.32 150.04 90 top
NOREF#3361  -  []  279.31 207.41 0 top
NOREF#3362  -  []  280.91 208.23 0 top
NOREF#3363  -  []  57.84 211.42 0 top
NOREF#3364  -  []  15.31 175.4 90 top
NOREF#3365  -  []  90.91 289.44 90 top
NOREF#3366  -  []  173.74 415.59 90 top
NOREF#3367  -  []  409.69 210.61 0 top
NOREF#3368  -  []  485.71 276.1 0 top
NOREF#3369  -  []  90.2 202.2 90 top
NOREF#3370  -  []  585.33 149.86 90 top
NOREF#3371  -  []  286.32 194.31 0 top
NOREF#3372  -  []  634.88 262.07 90 top
NOREF#3373  -  []  403.31 213.03 0 top
NOREF#3374  -  []  612.12 334.01 90 top
NOREF#3375  -  []  347.95 53.34 90 top
NOREF#3376  -  []  594.8 207 90 top
NOREF#3377  -  []  359.73 211.24 0 top
NOREF#3378  -  []  385.3 181.02 90 top
NOREF#3379  -  []  278.52 220.05 0 top
NOREF#3380  -  []  598 206.2 90 top
NOREF#3381  -  []  561.83 314.58 0 top
NOREF#3382  -  []  511.08 44.55 0 top
NOREF#3383  -  []  627.75 219.51 90 top
NOREF#3384  -  []  356.63 444.8 90 top
NOREF#3385  -  []  577.38 152.6 0 top
NOREF#3386  -  []  603.99 206.61 0 top
NOREF#3387  -  []  61.64 269.57 90 top
NOREF#3388  -  []  89.37 206.22 0 top
NOREF#3389  -  []  88.12 310.77 90 top
NOREF#3390  -  []  612.96 213.5 90 top
NOREF#3391  -  []  586.93 322.4 90 top
NOREF#3392  -  []  513.8 28.83 0 top
NOREF#3393  -  []  407.31 207.43 0 top
NOREF#3394  -  []  88.12 314.58 0 top
NOREF#3395  -  []  591.21 205.03 0 top
NOREF#3396  -  []  278.07 272.62 0 top
NOREF#3397  -  []  403.7 211 90 top
NOREF#3398  -  []  505.58 438.53 0 top
NOREF#3399  -  []  595.17 258.65 90 top
NOREF#3400  -  []  98.57 262.63 90 top
NOREF#3401  -  []  591.92 241.06 90 top
NOREF#3402  -  []  445.04 416.84 0 top
NOREF#3403  -  []  72.02 201.92 90 top
NOREF#3404  -  []  110.85 309.88 0 top
NOREF#3405  -  []  86.61 265.03 0 top
NOREF#3406  -  []  248.32 50.36 0 top
NOREF#3407  -  []  682.83 52.32 90 top
NOREF#3408  -  []  592.37 271.82 0 top
NOREF#3409  -  []  283.09 290.11 90 top
NOREF#3410  -  []  585.83 241.06 90 top
NOREF#3411  -  []  103.67 153.24 0 top
NOREF#3412  -  []  606.65 182.01 90 top
NOREF#3413  -  []  153.74 453.5 90 top
NOREF#3414  -  []  401.71 270.61 0 top
NOREF#3415  -  []  158.62 234.04 0 top
NOREF#3416  -  []  355.89 290.13 0 top
NOREF#3417  -  []  62.77 187.9 0 top
NOREF#3418  -  []  466.31 39.73 90 top
NOREF#3419  -  []  339.41 415.37 0 top
NOREF#3420  -  []  402.9 260.59 90 top
NOREF#3421  -  []  601.17 208.62 0 top
NOREF#3422  -  []  325.92 193.67 0 top
NOREF#3423  -  []  94.61 207.43 0 top
NOREF#3424  -  []  289.71 209.83 0 top
NOREF#3425  -  []  404.11 265.03 0 top
NOREF#3426  -  []  673.94 187.58 90 top
NOREF#3427  -  []  634.88 200.67 90 top
NOREF#3428  -  []  277.69 283.21 90 top
NOREF#3429  -  []  572.63 159.77 90 top
NOREF#3430  -  []  21.46 386.74 0 top
NOREF#3431  -  []  283.31 268.23 0 top
NOREF#3432  -  []  404.47 266.22 0 top
NOREF#3433  -  []  607.42 164.08 0 top
NOREF#3434  -  []  34.34 258.72 90 top
NOREF#3435  -  []  594.72 160.02 90 top
NOREF#3436  -  []  280.37 219.42 90 top
NOREF#3437  -  []  197.97 49.56 90 top
NOREF#3438  -  []  404.09 209.83 90 top
NOREF#3439  -  []  364.78 212.24 0 top
NOREF#3440  -  []  623.88 279.68 90 top
NOREF#3441  -  []  595.19 272.21 0 top
NOREF#3442  -  []  631.5 162.63 90 top
NOREF#3443  -  []  398.68 431.02 90 top
NOREF#3444  -  []  560.97 422.8 90 top
NOREF#3445  -  []  607.48 270.92 0 top
NOREF#3446  -  []  604.01 202.63 0 top
NOREF#3447  -  []  397.71 212.23 0 top
NOREF#3448  -  []  156.42 234.04 0 top
NOREF#3449  -  []  357.23 204.07 0 top
NOREF#3450  -  []  176.94 447.73 90 top
NOREF#3451  -  []  427.04 434.85 90 top
NOREF#3452  -  []  284.89 203.41 0 top
NOREF#3453  -  []  636.29 166.63 0 top
NOREF#3454  -  []  600.37 206.22 0 top
NOREF#3455  -  []  190.27 445.82 0 top
NOREF#3456  -  []  572.8 226.22 0 top
NOREF#3457  -  []  597.97 211.82 0 top
NOREF#3458  -  []  280.88 280.37 90 top
NOREF#3459  -  []  323.23 28.45 90 top
NOREF#3460  -  []  401.3 199.8 90 top
NOREF#3461  -  []  312.48 214.83 0 top
NOREF#3462  -  []  297.85 261.9 0 top
NOREF#3463  -  []  600.77 263.45 90 top
NOREF#3464  -  []  588.37 160.02 90 top
NOREF#3465  -  []  283.29 260.23 0 top
NOREF#3466  -  []  295.94 250.79 0 top
NOREF#3467  -  []  172.35 286.01 0 top
NOREF#3468  -  []  595.19 208.25 90 top
NOREF#3469  -  []  595.99 204.21 0 top
NOREF#3470  -  []  404.5 200.59 90 top
NOREF#3471  -  []  117.79 432.36 90 top
NOREF#3472  -  []  595.19 266.63 0 top
NOREF#3473  -  []  559.16 319.4 0 top
NOREF#3474  -  []  598.8 262.99 90 top
NOREF#3475  -  []  432.48 274.83 0 top
NOREF#3476  -  []  310.79 420.16 90 top
NOREF#3477  -  []  342.24 28.19 90 top
NOREF#3478  -  []  91 207 90 top
NOREF#3479  -  []  365.04 271.33 90 top
NOREF#3480  -  []  591.57 271.02 0 top
NOREF#3481  -  []  293.1 221.84 0 top
NOREF#3482  -  []  360.57 264.97 90 top
NOREF#3483  -  []  356.84 34.34 0 top
NOREF#3484  -  []  398.38 245.05 90 top
NOREF#3485  -  []  280.37 223.23 90 top
NOREF#3486  -  []  375.04 437.44 90 top
NOREF#3487  -  []  604.62 240.8 90 top
NOREF#3488  -  []  291.29 263.43 0 top
NOREF#3489  -  []  407.59 217.29 90 top
NOREF#3490  -  []  87 209.4 90 top
NOREF#3491  -  []  279.67 270.22 0 top
NOREF#3492  -  []  534.65 422.8 90 top
NOREF#3493  -  []  96.57 206.22 0 top
NOREF#3494  -  []  93.78 290.09 0 top
NOREF#3495  -  []  72.6 181.02 90 top
NOREF#3496  -  []  334.02 444.8 0 top
NOREF#3497  -  []  597.67 47.64 0 top
NOREF#3498  -  []  437.41 285.76 90 top
NOREF#3499  -  []  290.9 202.2 90 top
NOREF#3500  -  []  335.29 419.02 90 top
NOREF#3501  -  []  605.29 41.8 90 top
NOREF#3502  -  []  59.69 148.61 90 top
NOREF#3503  -  []  531.98 238.4 0 top
NOREF#3504  -  []  91.74 230.09 0 top
NOREF#3505  -  []  592.44 312.42 90 top
NOREF#3506  -  []  277.44 43.68 0 top
NOREF#3507  -  []  449.81 436.97 90 top
NOREF#3508  -  []  557.89 49.32 0 top
NOREF#3509  -  []  324.89 220.51 0 top
NOREF#3510  -  []  91 260.6 90 top
NOREF#3511  -  []  158.28 429.7 90 top
NOREF#3512  -  []  30.4 450.36 90 top
NOREF#3513  -  []  288.89 266.65 90 top
NOREF#3514  -  []  509.38 51.18 90 top
NOREF#3515  -  []  286.1 263 90 top
NOREF#3516  -  []  94.97 266.22 0 top
NOREF#3517  -  []  288.5 261.39 90 top
NOREF#3518  -  []  25.12 388.46 90 top
NOREF#3519  -  []  385.7 23.33 0 top
NOREF#3520  -  []  4.26 94.87 90 top
NOREF#3521  -  []  285.67 208.25 90 top
NOREF#3522  -  []  592.79 209.05 90 top
NOREF#3523  -  []  439.11 286.73 0 top
NOREF#3524  -  []  598.37 211.43 90 top
NOREF#3525  -  []  503.67 225.76 0 top
NOREF#3526  -  []  85.97 290.41 90 top
NOREF#3527  -  []  325.24 241.04 90 top
NOREF#3528  -  []  631.5 153.12 0 top
NOREF#3529  -  []  594.46 240.8 90 top
NOREF#3530  -  []  400.89 206.63 90 top
NOREF#3531  -  []  126.81 21.55 90 top
NOREF#3532  -  []  403.29 207.41 0 top
NOREF#3533  -  []  412.87 262.65 90 top
NOREF#3534  -  []  282.1 203.8 90 top
NOREF#3535  -  []  401.71 261.81 0 top
NOREF#3536  -  []  277.69 212.23 0 top
NOREF#3537  -  []  275.11 283.88 0 top
NOREF#3538  -  []  90.59 210.63 0 top
NOREF#3539  -  []  408.87 207.43 90 top
NOREF#3540  -  []  288.91 261.81 0 top
NOREF#3541  -  []  288.47 210.22 0 top
NOREF#3542  -  []  298.25 179.12 90 top
NOREF#3543  -  []  615.17 210.52 90 top
NOREF#3544  -  []  365.39 442.9 0 top
NOREF#3545  -  []  79.65 239.12 90 top
NOREF#3546  -  []  437.41 217.63 90 top
NOREF#3547  -  []  411.31 273.01 0 top
NOREF#3548  -  []  398.83 431.62 0 top
NOREF#3549  -  []  58.29 144.76 90 top
NOREF#3550  -  []  399.31 267.41 0 top
NOREF#3551  -  []  519.43 276.1 0 top
NOREF#3552  -  []  59.69 146.41 90 top
NOREF#3553  -  []  240.57 212.59 90 top
NOREF#3554  -  []  636.29 153.92 0 top
NOREF#3555  -  []  379.01 213.31 0 top
NOREF#3556  -  []  318.33 334.54 90 top
NOREF#3557  -  []  81.66 197.87 90 top
NOREF#3558  -  []  282.9 200.59 90 top
NOREF#3559  -  []  111.14 216.9 90 top
NOREF#3560  -  []  608.06 136.53 90 top
NOREF#3561  -  []  173.63 443.92 0 top
NOREF#3562  -  []  288.87 268.25 90 top
NOREF#3563  -  []  54.59 361.18 0 top
NOREF#3564  -  []  337.7 442.9 0 top
NOREF#3565  -  []  399.7 203.8 90 top
NOREF#3566  -  []  279.17 283.88 0 top
NOREF#3567  -  []  602.77 269.42 0 top
NOREF#3568  -  []  409.71 261.81 0 top
NOREF#3569  -  []  472.22 330.54 90 top
NOREF#3570  -  []  295.3 226.19 0 top
NOREF#3571  -  []  113.7 432.93 0 top
NOREF#3572  -  []  528.13 196.69 0 top
NOREF#3573  -  []  201.73 144.61 0 top
NOREF#3574  -  []  351.65 291.08 0 top
NOREF#3575  -  []  290.49 210.63 0 top
NOREF#3576  -  []  280.55 280.05 0 top
NOREF#3577  -  []  401.69 270.63 0 top
NOREF#3578  -  []  105.14 229.44 90 top
NOREF#3579  -  []  337.16 32 0 top
NOREF#3580  -  []  81.47 325.6 0 top
NOREF#3581  -  []  284.11 267.43 0 top
NOREF#3582  -  []  498.27 222.56 90 top
NOREF#3583  -  []  600.01 208.21 0 top
NOREF#3584  -  []  403.29 269.83 90 top
NOREF#3585  -  []  350.91 444.8 0 top
NOREF#3586  -  []  336.67 252.47 90 top
NOREF#3587  -  []  400.89 202.63 90 top
NOREF#3588  -  []  610.6 331.47 0 top
NOREF#3589  -  []  531.8 141.72 90 top
NOREF#3590  -  []  89.17 40.89 0 top
NOREF#3591  -  []  336.65 231.94 0 top
NOREF#3592  -  []  493.61 33.53 0 top
NOREF#3593  -  []  693.28 181.02 0 top
NOREF#3594  -  []  336.65 209.08 0 top
NOREF#3595  -  []  623.43 331.22 90 top
NOREF#3596  -  []  631.5 145.52 90 top
NOREF#3597  -  []  292.35 285.56 90 top
NOREF#3598  -  []  22.46 381.99 0 top
NOREF#3599  -  []  534.18 185.39 0 top
NOREF#3600  -  []  189.51 55.76 90 top
NOREF#3601  -  []  339.73 378.54 0 top
NOREF#3602  -  []  73.52 136.91 90 top
NOREF#3603  -  []  357.02 23.47 90 top
NOREF#3604  -  []  592.1 181.7 90 top
NOREF#3605  -  []  176.21 272.9 90 top
NOREF#3606  -  []  167.92 443.92 90 top
NOREF#3607  -  []  330.62 239.37 90 top
NOREF#3608  -  []  600.79 201.83 0 top
NOREF#3609  -  []  366.3 213.11 90 top
NOREF#3610  -  []  7.39 295.92 0 top
NOREF#3611  -  []  401.71 205.01 0 top
NOREF#3612  -  []  592.81 263.43 0 top
NOREF#3613  -  []  627.76 196.98 0 top
NOREF#3614  -  []  242.71 209.57 90 top
NOREF#3615  -  []  220.63 439.19 0 top
NOREF#3616  -  []  505.17 31.37 90 top
NOREF#3617  -  []  665.97 15.88 0 top
NOREF#3618  -  []  498.69 29.72 90 top
NOREF#3619  -  []  289.69 263.43 90 top
NOREF#3620  -  []  404.11 206.63 0 top
NOREF#3621  -  []  527.31 48.15 90 top
NOREF#3622  -  []  425.32 49.56 0 top
NOREF#3623  -  []  593.39 193.67 0 top
NOREF#3624  -  []  115.1 268.15 90 top
NOREF#3625  -  []  87.41 210.61 0 top
NOREF#3626  -  []  293.1 281.84 0 top
NOREF#3627  -  []  340.12 444.8 0 top
NOREF#3628  -  []  100.17 263.43 90 top
NOREF#3629  -  []  111.14 276.9 90 top
NOREF#3630  -  []  87.8 200.59 90 top
NOREF#3631  -  []  403.67 213.42 0 top
NOREF#3632  -  []  45.67 210.37 90 top
NOREF#3633  -  []  452.01 27.63 0 top
NOREF#3634  -  []  98.17 262.22 0 top
NOREF#3635  -  []  284.89 267.45 90 top
NOREF#3636  -  []  497.24 330.54 90 top
NOREF#3637  -  []  396.2 40.33 0 top
NOREF#3638  -  []  586.08 264.28 0 top
NOREF#3639  -  []  127.13 235.44 0 top
NOREF#3640  -  []  279.7 202.2 90 top
NOREF#3641  -  []  591.57 270.22 0 top
NOREF#3642  -  []  338.32 205.1 0 top
NOREF#3643  -  []  280.89 271.41 0 top
NOREF#3644  -  []  338.55 24.66 0 top
NOREF#3645  -  []  440.01 282.99 0 top
NOREF#3646  -  []  623.58 285.14 0 top
NOREF#3647  -  []  182.72 271.5 0 top
NOREF#3648  -  []  411.29 261.83 0 top
NOREF#3649  -  []  623.58 225.14 90 top
NOREF#3650  -  []  591.27 181.05 90 top
NOREF#3651  -  []  245.04 262.31 90 top
NOREF#3652  -  []  90.2 271 90 top
NOREF#3653  -  []  120.03 32.67 90 top
NOREF#3654  -  []  91.37 264.23 90 top
NOREF#3655  -  []  11.29 207.6 90 top
NOREF#3656  -  []  592.81 203.43 0 top
NOREF#3657  -  []  203.73 144.61 0 top
NOREF#3658  -  []  586.09 312.42 90 top
NOREF#3659  -  []  89.93 284.86 90 top
NOREF#3660  -  []  600.79 211.43 90 top
NOREF#3661  -  []  358.37 32.31 0 top
NOREF#3662  -  []  87.41 273.01 0 top
NOREF#3663  -  []  117.58 47.77 0 top
NOREF#3664  -  []  93.59 229.46 90 top
NOREF#3665  -  []  275.76 40.33 0 top
NOREF#3666  -  []  626.47 267.33 0 top
NOREF#3667  -  []  238.53 271.24 0 top
NOREF#3668  -  []  654.31 271.4 90 top
NOREF#3669  -  []  94.97 209.42 0 top
NOREF#3670  -  []  288.56 190.87 90 top
NOREF#3671  -  []  661.31 236.6 0 top
NOREF#3672  -  []  273.03 273.53 90 top
NOREF#3673  -  []  229.6 290.73 0 top
NOREF#3674  -  []  600.81 203.43 0 top
NOREF#3675  -  []  367.09 433.78 90 top
NOREF#3676  -  []  287.29 213.01 0 top
NOREF#3677  -  []  89.79 206.63 90 top
NOREF#3678  -  []  592.76 262.63 0 top
NOREF#3679  -  []  335.29 446.71 90 top
NOREF#3680  -  []  168.38 36.63 0 top
NOREF#3681  -  []  89.79 210.63 0 top
NOREF#3682  -  []  404.91 264.21 0 top
NOREF#3683  -  []  580.95 261.26 90 top
NOREF#3684  -  []  101.07 289.44 90 top
NOREF#3685  -  []  171.09 46.35 0 top
NOREF#3686  -  []  137.98 240.39 0 top
NOREF#3687  -  []  602.41 209.03 0 top
NOREF#3688  -  []  605.57 266.63 90 top
NOREF#3689  -  []  402.1 269.39 90 top
NOREF#3690  -  []  337.78 47.9 0 top
NOREF#3691  -  []  282.59 223.86 0 top
NOREF#3692  -  []  602.78 152.6 0 top
NOREF#3693  -  []  235.4 203 90 top
NOREF#3694  -  []  51.69 410.53 0 top
NOREF#3695  -  []  477.41 27.63 90 top
NOREF#3696  -  []  365.04 211.34 90 top
NOREF#3697  -  []  429.28 214.83 0 top
NOREF#3698  -  []  634.21 201.68 0 top
NOREF#3699  -  []  89.79 201.85 90 top
NOREF#3700  -  []  99.37 268.23 90 top
NOREF#3701  -  []  503.18 227.16 0 top
NOREF#3702  -  []  140.63 216 0 top
NOREF#3703  -  []  86.2 266.99 90 top
NOREF#3704  -  []  352.82 419.02 90 top
NOREF#3705  -  []  346.36 19.33 0 top
NOREF#3706  -  []  232.34 184.35 0 top
NOREF#3707  -  []  488.48 454.25 0 top
NOREF#3708  -  []  92.6 205.39 90 top
NOREF#3709  -  []  86.22 330.58 90 top
NOREF#3710  -  []  101.96 164.08 0 top
NOREF#3711  -  []  519.64 51.69 90 top
NOREF#3712  -  []  605.59 273.05 90 top
NOREF#3713  -  []  75.42 310.77 90 top
NOREF#3714  -  []  94.17 325.6 0 top
NOREF#3715  -  []  538.08 50.35 90 top
NOREF#3716  -  []  302.91 28.45 90 top
NOREF#3717  -  []  593.17 206.22 0 top
NOREF#3718  -  []  336.65 209.78 0 top
NOREF#3719  -  []  325.46 40.08 90 top
NOREF#3720  -  []  215.44 43.68 0 top
NOREF#3721  -  []  413.69 206.65 90 top
NOREF#3722  -  []  595.19 198.63 90 top
NOREF#3723  -  []  358.83 269.39 90 top
NOREF#3724  -  []  88.19 261.03 90 top
NOREF#3725  -  []  638.54 149.92 90 top
NOREF#3726  -  []  274.46 223.86 0 top
NOREF#3727  -  []  598.41 207.41 0 top
NOREF#3728  -  []  158.62 240.39 0 top
NOREF#3729  -  []  512.11 415.37 90 top
NOREF#3730  -  []  91.74 290.09 0 top
NOREF#3731  -  []  595.19 258.63 90 top
NOREF#3732  -  []  631.5 355.36 0 top
NOREF#3733  -  []  86.98 333.38 90 top
NOREF#3734  -  []  406.51 272.21 0 top
NOREF#3735  -  []  407.29 203.43 90 top
NOREF#3736  -  []  592.37 262.22 0 top
NOREF#3737  -  []  98.59 259.45 90 top
NOREF#3738  -  []  45.67 275.01 90 top
NOREF#3739  -  []  620.17 20.69 90 top
NOREF#3740  -  []  603.82 26.64 0 top
NOREF#3741  -  []  369.13 336.54 90 top
NOREF#3742  -  []  400.91 208.23 0 top
NOREF#3743  -  []  263.3 183.02 0 top
NOREF#3744  -  []  88.99 209.83 90 top
NOREF#3745  -  []  137.9 47.77 90 top
NOREF#3746  -  []  572.8 422.55 0 top
NOREF#3747  -  []  633.45 320.43 0 top
NOREF#3748  -  []  99.04 229.44 90 top
NOREF#3749  -  []  409.71 209.03 0 top
NOREF#3750  -  []  436.21 288.44 0 top
NOREF#3751  -  []  600.56 240.8 90 top
NOREF#3752  -  []  441.22 281.69 90 top
NOREF#3753  -  []  288.07 209.83 90 top
NOREF#3754  -  []  584.56 309.88 0 top
NOREF#3755  -  []  191.76 49.56 90 top
NOREF#3756  -  []  597.37 241.05 90 top
NOREF#3757  -  []  87.39 207.43 90 top
NOREF#3758  -  []  605.2 199.02 90 top
NOREF#3759  -  []  711.28 161.02 90 top
NOREF#3760  -  []  506 41.35 90 top
NOREF#3761  -  []  168.61 272.9 0 top
NOREF#3762  -  []  287.7 203 90 top
NOREF#3763  -  []  86.59 258.61 0 top
NOREF#3764  -  []  600.4 269.39 90 top
NOREF#3765  -  []  673.94 150.11 90 top
NOREF#3766  -  []  593.61 209.03 0 top
NOREF#3767  -  []  403.67 208.62 0 top
NOREF#3768  -  []  586.52 264.65 90 top
NOREF#3769  -  []  441.21 222.34 90 top
NOREF#3770  -  []  510.25 31.37 90 top
NOREF#3771  -  []  182.96 434.8 0 top
NOREF#3772  -  []  437.4 220.31 90 top
NOREF#3773  -  []  91.8 262.99 90 top
NOREF#3774  -  []  504.4 35.81 90 top
NOREF#3775  -  []  602.77 264.62 0 top
NOREF#3776  -  []  514.03 276.1 0 top
NOREF#3777  -  []  405.3 268.6 90 top
NOREF#3778  -  []  283.7 259.8 90 top
NOREF#3779  -  []  287.7 261.39 90 top
NOREF#3780  -  []  405.59 218.14 0 top
NOREF#3781  -  []  88.17 257.83 90 top
NOREF#3782  -  []  494.78 422.36 90 top
NOREF#3783  -  []  414.73 423.14 90 top
NOREF#3784  -  []  287.29 209.03 0 top
NOREF#3785  -  []  94.17 260.62 0 top
NOREF#3786  -  []  423.14 201.84 90 top
NOREF#3787  -  []  405.3 201.4 90 top
NOREF#3788  -  []  286.51 212.21 0 top
NOREF#3789  -  []  283.67 273.42 0 top
NOREF#3790  -  []  602.41 201.03 0 top
NOREF#3791  -  []  36.29 220.6 90 top
NOREF#3792  -  []  368.69 446.71 90 top
NOREF#3793  -  []  325.92 227.96 0 top
NOREF#3794  -  []  278.85 219.15 90 top
NOREF#3795  -  []  601.57 198.65 90 top
NOREF#3796  -  []  418.18 144.61 0 top
NOREF#3797  -  []  100.52 322.4 90 top
NOREF#3798  -  []  378.17 53.56 90 top
NOREF#3799  -  []  176.94 438.45 90 top
NOREF#3800  -  []  279.31 267.43 0 top
NOREF#3801  -  []  54.59 138.62 0 top
NOREF#3802  -  []  184.56 447.73 90 top
NOREF#3803  -  []  400.08 191.74 90 top
NOREF#3804  -  []  462.62 428.64 90 top
NOREF#3805  -  []  404.87 206.63 90 top
NOREF#3806  -  []  88.19 266.65 90 top
NOREF#3807  -  []  442.21 21.33 90 top
NOREF#3808  -  []  336.67 195.32 90 top
NOREF#3809  -  []  28.42 -94.82 0 top
NOREF#3810  -  []  284.11 205.83 0 top
NOREF#3811  -  []  79.1 330.83 0 top
NOREF#3812  -  []  57.91 269.99 90 top
